# Altium PCB UmTRXv21.PcbDoc (part 14 of 19)
Units mm, origin at the board's own origin, x right, y up, seen from the top; angles counter-clockwise.
Board outline 159.5 x 99.5 mm, 6 copper layers (Top Layer, GND, MidLayer1, Mid-Layer 2, InternalPlane2, Bottom Layer), stack 1.526 mm thick; 716 components, 578 nets, 2850 pads, 1402 vias.
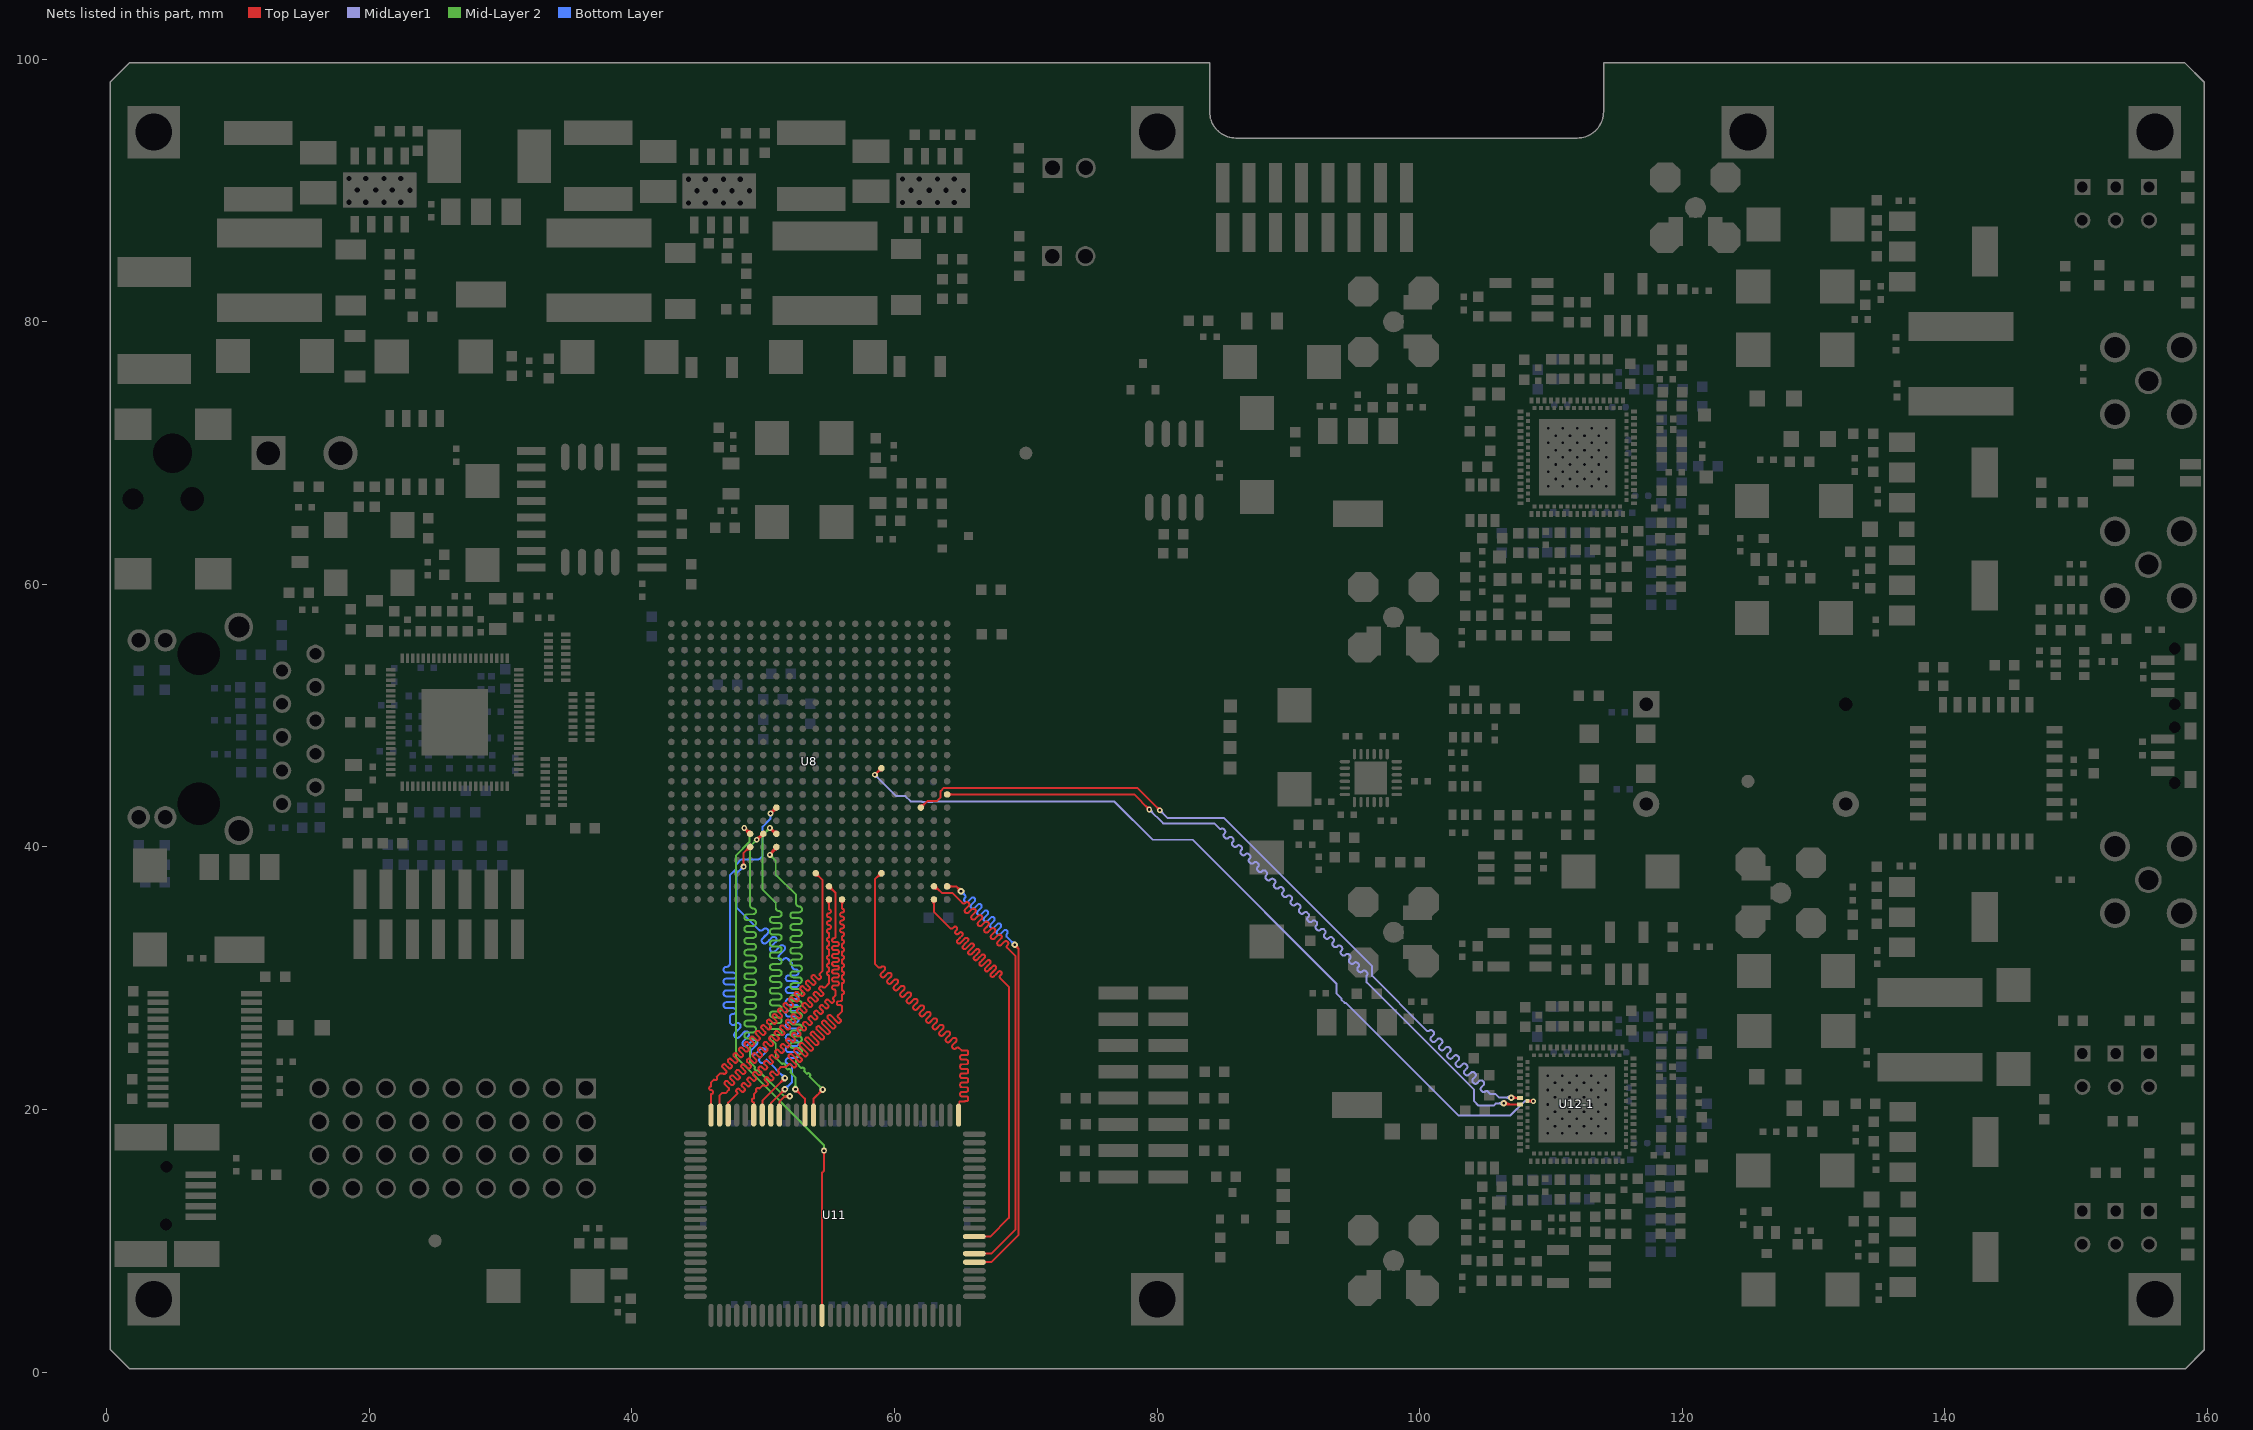
[diagram p18: the nets of this part, all layers, seen from the top]

## Via types
v1: diameter 0.45, hole 0.2, Top Layer to Bottom Layer, tented both sides, 440 vias
v2: diameter 0.5, hole 0.2, Top Layer to Bottom Layer, tented both sides, 423 vias
v3: diameter 0.7, hole 0.3, Top Layer to Bottom Layer, tented both sides, 257 vias
v4: diameter 0.4, hole 0.2, Top Layer to Bottom Layer, tented both sides, 197 vias
v5: diameter 0.8, hole 0.3, Top Layer to Bottom Layer, tented both sides, 63 vias
v6: diameter 0.6, hole 0.25, Top Layer to Bottom Layer, tented both sides, 16 vias
v7: diameter 0.6, hole 0.3, Top Layer to Bottom Layer, tented both sides, 4 vias
v8: diameter 1, hole 0.5, Top Layer to Bottom Layer, tented both sides, 2 vias

## Nets (pads, with @x,y where several pads share a name; then routed paths per layer and width w, separated by ;. In a path a pad name is that pad's centre, name@x,y a point inside that pad or via, vN(x,y) a via of type N, cw(c..) or ccw(c..) an arc to the next point about the centre after c; other vN are vias at no path point) (continued)
RAM_D26: U8.C6 U11.1 | length 41.1
  Top Layer w0.15: 58.616,37.666 cw(c59,37.282) U8.C6@59,37.825 ; 58.737,37.787 ccw(c58.523,38) U8.C6@58.825,38 ; U8.C6@59,38 58.95,38 58.5,37.55 58.5,31.1 58.75,30.85 ccw(c58.862,30.962) 58.973,30.85 58.985,30.862 cw(c59.109,30.738) 59.233,30.862 cw(c59.109,30.738) 59.233,30.615 59.109,30.491 58.985,30.367 ccw(c59.109,30.243) 58.985,30.12 ccw(c59.109,30.243) 59.233,30.12 59.48,30.367 cw(c59.604,30.243) 59.728,30.367 cw(c59.604,30.243) 59.728,30.12 59.48,29.872 ccw(c59.604,29.748) 59.48,29.625 ccw(c59.604,29.748) 59.728,29.625 59.975,29.872 cw(c60.099,29.748) 60.223,29.872 cw(c60.099,29.748) 60.223,29.625 59.975,29.377 ccw(c60.099,29.254) 59.975,29.13 ccw(c60.099,29.254) 60.223,29.13 60.47,29.377 cw(c60.594,29.254) 60.718,29.377 cw(c60.594,29.254) 60.718,29.13 60.47,28.882 ccw(c60.594,28.759) 60.47,28.635 ccw(c60.594,28.759) 60.718,28.635 60.965,28.882 cw(c61.089,28.759) 61.213,28.882 cw(c61.089,28.759) 61.213,28.635 60.965,28.387 ccw(c61.089,28.264) 60.965,28.14 ccw(c61.089,28.264) 61.213,28.14 61.46,28.387 cw(c61.584,28.264) 61.708,28.387 cw(c61.584,28.264) 61.708,28.14 61.46,27.892 ccw(c61.584,27.769) 61.46,27.645 ccw(c61.584,27.769) 61.708,27.645 61.955,27.892 cw(c62.079,27.769) 62.203,27.892 cw(c62.079,27.769) 62.203,27.645 61.955,27.397 ccw(c62.079,27.274) 61.955,27.15 ccw(c62.079,27.274) 62.203,27.15 62.45,27.397 cw(c62.574,27.274) 62.698,27.397 cw(c62.574,27.274) 62.698,27.15 62.574,27.026 62.45,26.902 ccw(c62.574,26.779) 62.45,26.655 ccw(c62.574,26.779) 62.698,26.655 62.945,26.902 cw(c63.069,26.779) 63.193,26.902 cw(c63.069,26.779) 63.193,26.655 62.945,26.407 ccw(c63.069,26.284) 62.945,26.16 ccw(c63.069,26.284) 63.193,26.16 63.44,26.407 cw(c63.564,26.284) 63.688,26.407 cw(c63.564,26.284) 63.688,26.16 63.44,25.912 ccw(c63.564,25.789) 63.44,25.665 ccw(c63.564,25.789) 63.688,25.665 63.935,25.912 cw(c64.059,25.789) 64.183,25.912 cw(c64.059,25.789) 64.183,25.665 63.935,25.417 ccw(c64.059,25.294) 63.935,25.17 ccw(c64.059,25.294) 64.183,25.17 64.43,25.417 cw(c64.554,25.294) 64.678,25.417 cw(c64.554,25.294) 64.678,25.17 64.43,24.922 ccw(c64.554,24.799) 64.43,24.675 ccw(c64.554,24.799) 64.678,24.675 cw(c64.801,24.551) 64.925,24.675 65.1,24.5 65.477,24.5 cw(c65.477,24.377) 65.6,24.377 65.6,24.272 cw(c65.477,24.272) 65.477,24.15 65.122,24.15 ccw(c65.122,24.027) 65,24.027 65,23.922 ccw(c65.122,23.922) 65.122,23.8 65.477,23.8 cw(c65.477,23.677) 65.6,23.677 65.6,23.572 cw(c65.477,23.572) 65.477,23.45 65.122,23.45 ccw(c65.122,23.327) 65,23.327 65,23.222 ccw(c65.122,23.222) 65.122,23.1 65.477,23.1 cw(c65.477,22.977) 65.6,22.977 65.6,22.872 cw(c65.477,22.872) 65.477,22.75 65.122,22.75 ccw(c65.122,22.627) 65,22.627 65,22.522 ccw(c65.122,22.522) 65.122,22.4 65.477,22.4 cw(c65.477,22.277) 65.6,22.277 65.6,22.172 cw(c65.477,22.172) 65.477,22.05 65.122,22.05 ccw(c65.122,21.927) 65,21.927 65,21.822 ccw(c65.122,21.822) 65.122,21.7 65.477,21.7 cw(c65.477,21.577) 65.6,21.577 65.6,21.472 cw(c65.477,21.472) 65.477,21.35 65.122,21.35 ccw(c65.122,21.227) 65,21.227 65,21.122 ccw(c65.122,21.122) 65.122,21 65.477,21 cw(c65.477,20.877) 65.6,20.877 65.6,20.772 cw(c65.477,20.772) 65.477,20.65 65.422,20.65 ccw(c65.422,20.528) 65.355,20.63 65.325,20.6 64.925,20.6 64.925,19.625 U11.1@64.875,19.575
RAM_D27: U8.E14 U11.18 | length 43.5
  Top Layer w0.15: v1(50.5,39.4) 50.5,39.5 U8.E14@51,40 ; v1@50.65,39.4 cw(c51.254,39.4) U8.E14@50.827,39.827 ; v1@50.657,39.533 cw(c51.211,39.214) U8.E14@51.045,39.831 ; 50.81,39.798 ccw(c50.632,39.901) U8.E14@50.831,39.955 ; U8.E14@50.825,40 cw(c50.403,40) 50.701,39.701 cw(c51,39.403) U8.E14@51,39.825 ; U11.18@53.825,19.575 53.825,20.825 v2(54.525,21.525) ; v2@54.35,21.525 cw(c53.928,21.525) 54.226,21.226 cw(c54.525,20.928) v2@54.525,21.35
  Mid-Layer 2 w0.15: v1@50.5,39.25 cw(c50.5,38.888) 50.756,39.144 cw(c51.012,39.4) v1@50.65,39.4 ; v1(50.5,39.4) 50.95,38.95 50.95,37.896 52.5,36.346 52.5,35.7 ccw(c52.725,35.7) 52.725,35.475 cw(c52.725,35.25) 52.95,35.25 cw(c52.725,35.25) 52.725,35.025 52.287,35.025 ccw(c52.287,34.8) 52.062,34.8 ccw(c52.287,34.8) 52.287,34.575 52.713,34.575 cw(c52.713,34.35) 52.938,34.35 cw(c52.713,34.35) 52.713,34.125 52.287,34.125 ccw(c52.287,33.9) 52.062,33.9 ccw(c52.287,33.9) 52.287,33.675 52.713,33.675 cw(c52.713,33.45) 52.938,33.45 cw(c52.713,33.45) 52.713,33.225 52.287,33.225 ccw(c52.287,33) 52.062,33 ccw(c52.287,33) 52.287,32.775 52.713,32.775 cw(c52.713,32.55) 52.938,32.55 cw(c52.713,32.55) 52.713,32.325 52.287,32.325 ccw(c52.287,32.1) 52.062,32.1 ccw(c52.287,32.1) 52.287,31.875 52.713,31.875 cw(c52.713,31.65) 52.938,31.65 cw(c52.713,31.65) 52.713,31.425 52.287,31.425 ccw(c52.287,31.2) 52.062,31.2 ccw(c52.287,31.2) 52.287,30.975 52.713,30.975 cw(c52.713,30.75) 52.938,30.75 cw(c52.713,30.75) 52.713,30.525 52.287,30.525 ccw(c52.287,30.3) 52.062,30.3 ccw(c52.287,30.3) 52.287,30.075 52.713,30.075 cw(c52.713,29.85) 52.938,29.85 cw(c52.713,29.85) 52.713,29.625 52.287,29.625 ccw(c52.287,29.4) 52.062,29.4 ccw(c52.287,29.4) 52.287,29.175 52.713,29.175 cw(c52.713,28.95) 52.938,28.95 cw(c52.713,28.95) 52.713,28.725 52.287,28.725 ccw(c52.287,28.5) 52.062,28.5 ccw(c52.287,28.5) 52.287,28.275 52.713,28.275 cw(c52.713,28.05) 52.938,28.05 cw(c52.713,28.05) 52.713,27.825 52.286,27.825 ccw(c52.286,27.6) 52.062,27.6 ccw(c52.286,27.6) 52.286,27.375 52.713,27.375 cw(c52.713,27.15) 52.938,27.15 cw(c52.713,27.15) 52.713,26.925 52.286,26.925 ccw(c52.286,26.7) 52.062,26.7 ccw(c52.286,26.7) 52.286,26.475 52.713,26.475 cw(c52.713,26.25) 52.938,26.25 cw(c52.713,26.25) 52.713,26.025 52.286,26.025 ccw(c52.286,25.8) 52.062,25.8 ccw(c52.286,25.8) 52.286,25.575 52.713,25.575 cw(c52.713,25.35) 52.938,25.35 cw(c52.713,25.35) 52.713,25.125 52.286,25.125 ccw(c52.286,24.9) 52.062,24.9 ccw(c52.286,24.9) 52.286,24.675 52.713,24.675 cw(c52.713,24.45) 52.938,24.45 cw(c52.713,24.45) 52.713,24.225 52.5,24.012 52.5,23.55 52.9,23.15 cw(c53.006,23.044) 53.112,22.938 53.324,22.726 cw(c53.43,22.62) 53.536,22.514 v2(54.525,21.525) ; v2@54.35,21.525 ccw(c53.928,21.525) 54.226,21.824 ccw(c54.525,22.122) v2@54.525,21.7
RAM_D28: U8.F14 U11.19 | length 43.6
  Top Layer w0.15: v1@50.5,41.3 cw(c50.5,40.817) U8.F14@50.841,41.159 ; v1(50.5,41.45) 50.55,41.45 U8.F14@51,41 ; v1@50.596,41.3 cw(c50.357,40.886) U8.F14@50.828,40.97 ; v1@50.65,41.45 ccw(c50.891,41.45) 50.721,41.279 ; 50.784,41.191 ccw(c50.897,41.386) U8.F14@50.955,41.169 ; U8.F14@50.825,41 ccw(c50.403,41) 50.701,41.299 ccw(c51,41.597) U8.F14@51,41.175 ; v2@52.45,21.375 cw(c52.45,20.953) 52.749,21.251 cw(c53.047,21.55) v2@52.625,21.55 ; v2(52.45,21.55) 53.175,20.825 U11.19@53.175,19.575
  Mid-Layer 2 w0.15: v1@50.35,41.45 cw(c49.988,41.45) 50.244,41.194 cw(c50.5,40.938) v1@50.5,41.3 ; v1@50.6,41.45 v1(50.5,41.45) 49.95,40.9 49.95,36.75 50.95,35.75 50.95,35.35 ccw(c51.175,35.35) 51.175,35.125 cw(c51.175,34.9) 51.4,34.9 cw(c51.175,34.9) 51.175,34.675 50.725,34.675 ccw(c50.725,34.45) 50.5,34.45 ccw(c50.725,34.45) 50.725,34.225 51.175,34.225 cw(c51.175,34) 51.4,34 cw(c51.175,34) 51.175,33.775 50.725,33.775 ccw(c50.725,33.55) 50.5,33.55 ccw(c50.725,33.55) 50.725,33.325 51.175,33.325 cw(c51.175,33.1) 51.4,33.1 cw(c51.175,33.1) 51.175,32.875 50.725,32.875 ccw(c50.725,32.65) 50.5,32.65 ccw(c50.725,32.65) 50.725,32.425 51.175,32.425 cw(c51.175,32.2) 51.4,32.2 cw(c51.175,32.2) 51.175,31.975 50.725,31.975 ccw(c50.725,31.75) 50.5,31.75 ccw(c50.725,31.75) 50.725,31.525 51.175,31.525 cw(c51.175,31.3) 51.4,31.3 cw(c51.175,31.3) 51.175,31.075 50.725,31.075 ccw(c50.725,30.85) 50.5,30.85 ccw(c50.725,30.85) 50.725,30.625 51.175,30.625 cw(c51.175,30.4) 51.4,30.4 cw(c51.175,30.4) 51.175,30.175 50.725,30.175 ccw(c50.725,29.95) 50.5,29.95 ccw(c50.725,29.95) 50.725,29.725 51.175,29.725 cw(c51.175,29.5) 51.4,29.5 cw(c51.175,29.5) 51.175,29.275 50.725,29.275 ccw(c50.725,29.05) 50.5,29.05 ccw(c50.725,29.05) 50.725,28.825 51.175,28.825 cw(c51.175,28.6) 51.4,28.6 cw(c51.175,28.6) 51.175,28.375 50.725,28.375 ccw(c50.725,28.15) 50.5,28.15 ccw(c50.725,28.15) 50.725,27.925 51.175,27.925 cw(c51.175,27.7) 51.4,27.7 cw(c51.175,27.7) 51.175,27.475 50.725,27.475 ccw(c50.725,27.25) 50.5,27.25 ccw(c50.725,27.25) 50.725,27.025 51.175,27.025 cw(c51.175,26.8) 51.4,26.8 cw(c51.175,26.8) 51.175,26.575 50.725,26.575 ccw(c50.725,26.35) 50.5,26.35 ccw(c50.725,26.35) 50.725,26.125 51.175,26.125 cw(c51.175,25.9) 51.4,25.9 cw(c51.175,25.9) 51.175,25.675 50.725,25.675 ccw(c50.725,25.45) 50.5,25.45 ccw(c50.725,25.45) 50.725,25.225 50.95,25 50.95,23.95 51.437,23.463 cw(c51.544,23.356) 51.65,23.25 51.862,23.038 cw(c51.968,22.932) 52.074,22.826 52.45,22.45 v2(52.45,21.55) ; v2@52.326,21.674 ccw(c52.028,21.972) 52.45,21.972 ccw(c52.872,21.972) v2@52.574,21.674
RAM_D29: U8.F15 U11.22 | length 43.5
  Top Layer w0.15: v1(49.5,40.55) 49.55,40.55 U8.F15@50,41 ; v1@49.5,40.7 ccw(c49.5,41.183) U8.F15@49.841,40.841 ; v1@49.596,40.7 ccw(c49.357,41.114) U8.F15@49.828,41.03 ; v1@49.65,40.55 cw(c49.891,40.55) 49.721,40.721 ; 49.784,40.809 cw(c49.897,40.614) U8.F15@49.955,40.831 ; U8.F15@49.825,41 cw(c49.403,41) 49.701,40.701 cw(c50,40.403) U8.F15@50,40.825 ; U11.22@51.225,19.575 51.225,20.6 51.625,21 ; v2@51.896,20.881 ccw(c51.625,20.63) 51.625,21 ; v2@51.896,21.119 cw(c51.625,21.37) 51.625,21 ; v2(52.025,21) 51.625,21
  Mid-Layer 2 w0.15: v1@49.35,40.55 cw(c48.988,40.55) 49.244,40.294 cw(c49.5,40.038) v1@49.5,40.4 ; v1(49.5,40.55) 49,40.05 49,35.55 ccw(c49.225,35.55) 49.219,35.325 ; v2@51.901,20.876 ccw(c51.603,20.578) 51.603,21 ccw(c51.603,21.422) v2@51.901,21.124 ; v2(52.025,21) 51.599,21 49.598,23.001 cw(c49.492,23.107) 49.386,23.213 49,23.599 49,24.757 49.218,24.975 ccw(c49.218,25.2) 49.443,25.2 ccw(c49.218,25.2) 49.218,25.425 48.782,25.425 cw(c48.782,25.65) 48.557,25.65 cw(c48.782,25.65) 48.782,25.875 49.218,25.875 ccw(c49.218,26.1) 49.443,26.1 ccw(c49.218,26.1) 49.218,26.325 48.782,26.325 cw(c48.782,26.55) 48.557,26.55 cw(c48.782,26.55) 48.782,26.775 49.218,26.775 ccw(c49.218,27) 49.443,27 ccw(c49.218,27) 49.218,27.225 48.782,27.225 cw(c48.782,27.45) 48.557,27.45 cw(c48.782,27.45) 48.782,27.675 49.218,27.675 ccw(c49.218,27.9) 49.443,27.9 ccw(c49.218,27.9) 49.218,28.125 48.782,28.125 cw(c48.782,28.35) 48.557,28.35 cw(c48.782,28.35) 48.782,28.575 49.218,28.575 ccw(c49.218,28.8) 49.443,28.8 ccw(c49.218,28.8) 49.218,29.025 48.782,29.025 cw(c48.782,29.25) 48.557,29.25 cw(c48.782,29.25) 48.782,29.475 49.218,29.475 ccw(c49.218,29.7) 49.443,29.7 ccw(c49.218,29.7) 49.218,29.925 48.782,29.925 cw(c48.782,30.15) 48.557,30.15 cw(c48.782,30.15) 48.782,30.375 49.218,30.375 ccw(c49.218,30.6) 49.443,30.6 ccw(c49.218,30.6) 49.218,30.825 48.782,30.825 cw(c48.782,31.05) 48.557,31.05 cw(c48.782,31.05) 48.782,31.275 49.218,31.275 ccw(c49.218,31.5) 49.443,31.5 ccw(c49.218,31.5) 49.218,31.725 48.782,31.725 cw(c48.782,31.95) 48.557,31.95 cw(c48.782,31.95) 48.782,32.175 49.218,32.175 ccw(c49.218,32.4) 49.443,32.4 ccw(c49.218,32.4) 49.218,32.625 48.782,32.625 cw(c48.782,32.85) 48.557,32.85 cw(c48.782,32.85) 48.782,33.075 49.218,33.075 ccw(c49.218,33.3) 49.443,33.3 ccw(c49.218,33.3) 49.218,33.525 48.782,33.525 cw(c48.782,33.75) 48.557,33.75 cw(c48.782,33.75) 48.782,33.975 49.218,33.975 ccw(c49.218,34.2) 49.443,34.2 ccw(c49.218,34.2) 49.218,34.425 48.782,34.425 cw(c48.782,34.65) 48.557,34.65 cw(c48.782,34.65) 48.782,34.875 49.218,34.875 ccw(c49.218,35.1) 49.443,35.1 ccw(c49.218,35.1) 49.224,35.325 ; 49.219,35.325 ccw(c49.225,35.55) 49.224,35.325 ; 49.219,35.325 cw(c49.218,35.1) 49.224,35.325 ; 49.219,35.325 49.224,35.325
RAM_D30: U8.E16 U11.23 | length 43.4
  Top Layer w0.15: v1@48.394,38.606 ccw(c48.138,38.862) 48.5,38.862 ccw(c48.862,38.862) v1@48.606,38.606 ; v1(48.5,38.5) 48.5,39.55 U8.E16@48.975,40.025 ; 48.616,39.666 cw(c49,39.282) U8.E16@49,39.825 ; 48.737,39.787 ccw(c48.523,40) U8.E16@48.825,40 ; U11.23@50.575,19.575 50.575,20.475 v2(51.65,21.55) ; v2@51.475,21.55 cw(c51.053,21.55) 51.351,21.251 cw(c51.65,20.953) v2@51.65,21.375
  Bottom Layer w0.15: v1@48.35,38.5 cw(c47.988,38.5) 48.244,38.244 cw(c48.5,37.988) v1@48.5,38.35 ; v1(48.5,38.5) 47.95,37.95 47.95,35.4 49.654,33.696 ccw(c49.814,33.855) 49.973,33.696 50.002,33.725 cw(c50.161,33.566) 50.32,33.725 cw(c50.161,33.566) 50.32,33.407 50.132,33.218 49.943,33.03 ccw(c50.102,32.871) 49.943,32.712 ccw(c50.102,32.871) 50.261,32.712 50.45,32.9 50.638,33.089 cw(c50.797,32.929) 50.957,33.089 cw(c50.797,32.929) 50.957,32.77 50.768,32.582 50.58,32.393 ccw(c50.739,32.234) 50.58,32.075 ccw(c50.739,32.234) 50.898,32.075 51.086,32.264 51.275,32.452 cw(c51.434,32.293) 51.593,32.452 cw(c51.434,32.293) 51.593,32.134 51.405,31.945 51.216,31.757 ccw(c51.375,31.598) 51.216,31.439 ccw(c51.375,31.598) 51.534,31.439 51.564,31.468 cw(c51.723,31.309) 51.882,31.468 52.2,31.15 52.2,30.9 ccw(c52.425,30.9) 52.425,30.675 52.467,30.675 cw(c52.467,30.45) 52.692,30.45 cw(c52.467,30.45) 52.467,30.225 51.933,30.225 ccw(c51.933,30) 51.708,30 ccw(c51.933,30) 51.933,29.775 52.467,29.775 cw(c52.467,29.55) 52.692,29.55 cw(c52.467,29.55) 52.467,29.325 51.933,29.325 ccw(c51.933,29.1) 51.708,29.1 ccw(c51.933,29.1) 51.933,28.875 52.467,28.875 cw(c52.467,28.65) 52.692,28.65 cw(c52.467,28.65) 52.467,28.425 51.933,28.425 ccw(c51.933,28.2) 51.708,28.2 ccw(c51.933,28.2) 51.933,27.975 52.467,27.975 cw(c52.467,27.75) 52.692,27.75 cw(c52.467,27.75) 52.467,27.525 51.933,27.525 ccw(c51.933,27.3) 51.708,27.3 ccw(c51.933,27.3) 51.933,27.075 52.467,27.075 cw(c52.467,26.85) 52.692,26.85 cw(c52.467,26.85) 52.467,26.625 51.933,26.625 ccw(c51.933,26.4) 51.708,26.4 ccw(c51.933,26.4) 51.933,26.175 52.467,26.175 cw(c52.467,25.95) 52.692,25.95 cw(c52.467,25.95) 52.467,25.725 51.933,25.725 ccw(c51.933,25.5) 51.708,25.5 ccw(c51.933,25.5) 51.933,25.275 52.467,25.275 cw(c52.467,25.05) 52.692,25.05 cw(c52.467,25.05) 52.467,24.825 51.933,24.825 ccw(c51.933,24.6) 51.708,24.6 ccw(c51.933,24.6) 51.933,24.375 52.467,24.375 cw(c52.467,24.15) 52.692,24.15 cw(c52.467,24.15) 52.467,23.925 51.933,23.925 ccw(c51.933,23.7) 51.708,23.7 ccw(c51.933,23.7) 51.933,23.475 51.975,23.475 cw(c51.975,23.25) 52.2,23.25 52.2,22.1 v2(51.65,21.55) ; v2@51.65,21.725 ccw(c51.65,22.147) 51.949,21.849 ccw(c52.247,21.55) v2@51.825,21.55
RAM_D31: U8.H14 U11.24 | length 45.2
  Top Layer w0.15: U11.24@49.925,19.575 49.925,20.675 v2(51.65,22.4) ; v1@50.55,42.65 v1(50.55,42.55) U8.H14@51,43 ; v1@50.55,42.7 ccw(c50.55,43.062) 50.806,42.806 ccw(c51.062,42.55) v1@50.7,42.55 ; v1@50.608,42.692 ccw(c50.387,43.075) U8.H14@50.826,43.021 ; v1@50.692,42.608 cw(c51.075,42.387) U8.H14@51.021,42.826 ; 50.771,42.786 ccw(c50.701,42.905) U8.H14@50.833,42.947 ; 50.786,42.771 cw(c50.905,42.701) U8.H14@50.947,42.833 ; U8.H14@50.825,43 cw(c50.403,43) 50.701,42.701 cw(c51,42.403) U8.H14@51,42.825 ; v2@51.475,22.4 cw(c51.053,22.4) 51.351,22.101 cw(c51.65,21.803) v2@51.65,22.225 ; 50.813,42.818 ccw(c50.657,42.908) 50.831,42.955 cw(c50.657,42.908) 50.813,42.818 ; 50.818,42.813 cw(c50.908,42.657) 50.955,42.831 ccw(c50.908,42.657) 50.818,42.813
  Bottom Layer w0.15: 49.675,39.075 49.65,39.05 48.325,39.05 47.925,38.65 47.925,38.324 47.45,37.849 47.45,31.1 cw(c47.225,31.1) 47.225,30.875 47.191,30.875 ccw(c47.191,30.65) 46.966,30.65 ccw(c47.191,30.65) 47.191,30.425 47.709,30.425 cw(c47.709,30.2) 47.934,30.2 cw(c47.709,30.2) 47.709,29.975 47.191,29.975 ccw(c47.191,29.75) 46.966,29.75 ccw(c47.191,29.75) 47.191,29.525 47.709,29.525 cw(c47.709,29.3) 47.934,29.3 cw(c47.709,29.3) 47.709,29.075 47.191,29.075 ccw(c47.191,28.85) 46.966,28.85 ccw(c47.191,28.85) 47.191,28.625 47.709,28.625 cw(c47.709,28.4) 47.934,28.4 cw(c47.709,28.4) 47.709,28.175 47.191,28.175 ccw(c47.191,27.95) 46.966,27.95 ccw(c47.191,27.95) 47.191,27.725 47.709,27.725 cw(c47.709,27.5) 47.934,27.5 cw(c47.709,27.5) 47.709,27.275 47.675,27.275 ccw(c47.675,27.05) 47.45,27.05 47.45,26.6 47.55,26.5 ccw(c47.709,26.659) 47.868,26.5 47.892,26.524 cw(c48.051,26.365) 48.21,26.524 cw(c48.051,26.365) 48.21,26.206 48.027,26.023 47.844,25.84 ccw(c48.003,25.681) 47.844,25.522 ccw(c48.003,25.681) 48.162,25.522 48.345,25.705 48.528,25.888 cw(c48.687,25.729) 48.847,25.888 cw(c48.687,25.729) 48.847,25.57 48.664,25.386 48.48,25.203 ccw(c48.64,25.044) 48.48,24.885 ccw(c48.64,25.044) 48.799,24.885 48.982,25.068 49.165,25.251 cw(c49.324,25.092) 49.483,25.251 cw(c49.324,25.092) 49.483,24.933 49.3,24.75 49.117,24.567 ccw(c49.276,24.408) 49.117,24.249 ccw(c49.276,24.408) 49.435,24.249 49.618,24.432 49.801,24.615 cw(c49.96,24.456) 50.119,24.615 cw(c49.96,24.456) 50.119,24.297 49.936,24.114 49.753,23.931 ccw(c49.912,23.772) 49.753,23.612 ccw(c49.912,23.772) 50.071,23.612 50.255,23.795 v2(51.65,22.4) ; 49.676,39.075 49.95,39.349 49.95,41.546 50.55,42.146 v1(50.55,42.55) ; v1@50.444,42.444 cw(c50.188,42.188) 50.55,42.188 cw(c50.912,42.188) v1@50.656,42.444 ; v2@51.475,22.4 ccw(c51.053,22.4) 51.351,22.699 ccw(c51.65,22.997) v2@51.65,22.575
RAM_D32: U8.A9 U11.25 | length 40.4
  Top Layer w0.15: U11.25@49.275,19.575 49.275,20.55 cw(c49.275,20.7) 49.275,20.85 49.275,21.175 49.487,21.387 cw(c49.594,21.494) 49.7,21.6 49.926,21.826 50.109,21.826 ccw(c50.194,21.91) 50.279,21.825 50.322,21.868 ccw(c50.237,21.953) 50.322,22.038 50.138,22.222 cw(c50.223,22.306) 50.138,22.391 50.18,22.434 cw(c50.265,22.349) 50.35,22.434 50.534,22.25 ccw(c50.619,22.335) 50.703,22.25 50.746,22.292 ccw(c50.661,22.377) 50.746,22.462 50.654,22.554 50.562,22.646 cw(c50.647,22.731) 50.562,22.815 50.604,22.858 cw(c50.689,22.773) 50.774,22.858 50.958,22.674 ccw(c51.043,22.759) 51.128,22.674 51.17,22.716 ccw(c51.085,22.801) 51.17,22.886 51.163,22.893 ; 51.163,22.893 cw(c51.248,22.978) 51.163,23.063 51.35,23.25 51.75,23.25 51.921,23.421 cw(c52.006,23.336) 52.091,23.421 52.275,23.237 ccw(c52.36,23.322) 52.444,23.237 52.487,23.28 ccw(c52.402,23.365) 52.487,23.449 52.218,23.718 51.949,23.987 cw(c52.034,24.072) 51.949,24.156 51.992,24.199 cw(c52.077,24.114) 52.161,24.199 52.699,23.662 ccw(c52.784,23.746) 52.869,23.662 52.911,23.704 ccw(c52.826,23.789) 52.911,23.874 52.642,24.142 52.374,24.411 cw(c52.459,24.496) 52.374,24.581 52.416,24.623 cw(c52.501,24.538) 52.586,24.623 53.123,24.086 ccw(c53.208,24.171) 53.293,24.086 53.335,24.128 ccw(c53.251,24.213) 53.336,24.298 ; 53.335,24.298 52.798,24.835 cw(c52.883,24.92) 52.798,25.005 52.84,25.048 cw(c52.925,24.963) 53.01,25.048 53.279,24.779 53.548,24.51 ; 53.548,24.51 ccw(c53.632,24.595) 53.717,24.51 53.76,24.553 ; 53.76,24.553 ccw(c53.675,24.637) 53.76,24.722 53.222,25.26 cw(c53.307,25.345) 53.222,25.429 53.265,25.472 cw(c53.35,25.387) 53.434,25.472 53.972,24.934 ccw(c54.057,25.019) 54.141,24.934 ; 54.142,24.934 54.184,24.977 ccw(c54.099,25.062) 54.184,25.146 ; 54.184,25.147 53.915,25.415 53.647,25.684 cw(c53.731,25.769) 53.646,25.854 53.689,25.896 cw(c53.774,25.811) 53.859,25.896 54.396,25.359 ; 54.396,25.359 ccw(c54.481,25.444) 54.566,25.359 54.608,25.401 ccw(c54.523,25.486) 54.608,25.571 54.34,25.84 54.071,26.108 cw(c54.156,26.193) 54.071,26.278 54.113,26.32 cw(c54.198,26.235) 54.283,26.32 54.82,25.783 ccw(c54.905,25.868) 54.99,25.783 55.032,25.825 ccw(c54.948,25.91) 55.033,25.995 54.495,26.532 cw(c54.58,26.617) 54.495,26.702 ; 54.495,26.702 54.538,26.745 cw(c54.622,26.66) 54.707,26.745 54.976,26.476 55.245,26.207 ccw(c55.329,26.292) 55.414,26.207 55.457,26.25 ccw(c55.372,26.334) 55.457,26.419 54.919,26.957 cw(c55.004,27.042) 54.919,27.126 54.962,27.169 cw(c55.047,27.084) 55.131,27.169 55.669,26.631 ccw(c55.754,26.716) 55.838,26.631 55.881,26.674 ccw(c55.796,26.759) 55.881,26.844 55.697,27.027 cw(c55.782,27.112) 55.697,27.197 56,27.5 56,27.83 ccw(c55.88,27.83) 55.88,27.95 55.738,27.95 cw(c55.738,28.07) 55.618,28.07 55.618,28.13 cw(c55.738,28.13) 55.738,28.25 55.88,28.25 ccw(c55.88,28.37) 56,28.37 56,28.775 ccw(c56,28.925) 56,29.075 56,29.625 ccw(c56,29.775) 56,29.925 56,30.225 ccw(c56,30.375) 56,30.525 56,30.825 ccw(c56,30.975) 56,31.125 56,31.425 ccw(c56,31.575) 56,31.725 56,32.025 ccw(c56,32.175) 56,32.325 56,32.625 ccw(c56,32.775) 56,32.925 56,33.2 ccw(c56,33.35) 56,33.5 cw(c56,33.65) 56,33.8 ccw(c56,33.95) 56,34.1 cw(c56,34.25) 56,34.4 ccw(c56,34.55) 56,34.7 cw(c56,34.85) 56,35 ccw(c56,35.15) 56,35.3 U8.A9@56,36 ; U8.A9@55.876,35.876 cw(c55.578,35.578) 56,35.578 cw(c56.422,35.578) U8.A9@56.124,35.876